# Allegro board RK3588S_Template_LP5D315P232SD10H2_42x42_2750MHz_1R2_V10_20220413YWQ.brd (continued)
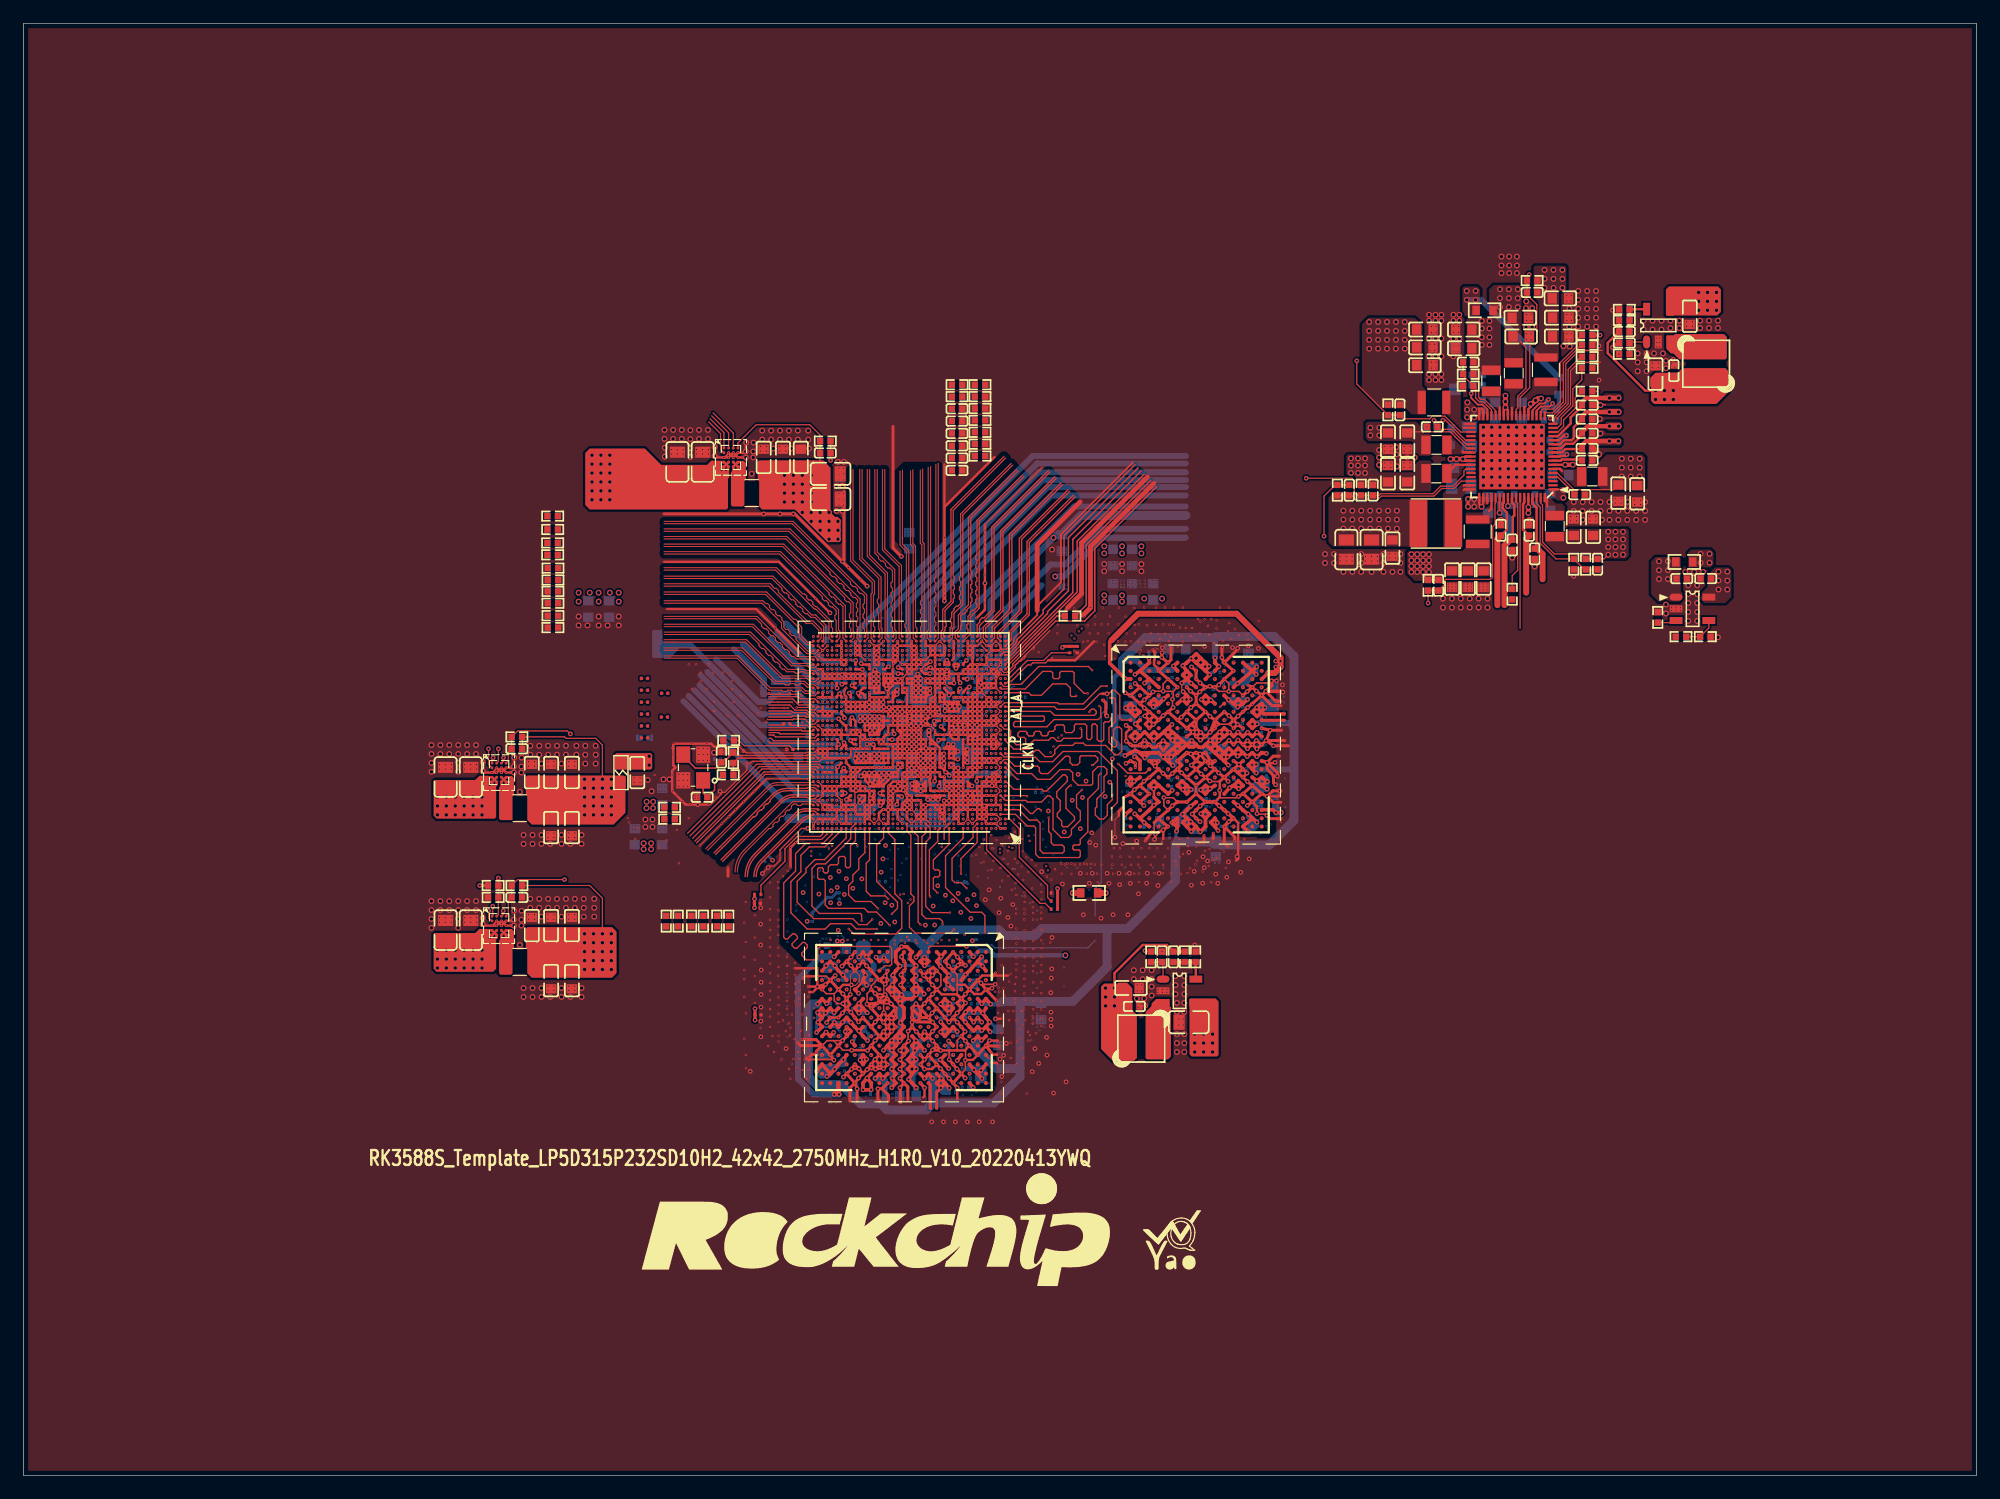
[diagram p0: board, top side]
## Copper pours and planes (outline as drawn; the poured copper is in the pictures) (continued)
VDD_CPU_BIG0_S0 on BOTTOM: 55.07,54.53 51.89,54.53 51.64,54.28 51.64,53.52 52.02,53.14 54.94,53.14 55.32,53.52 55.32,54.28
VDD_CPU_BIG0_S0 on L5-POWER2: 75.23,60.5 74.88,60.86 74.52,60.86 74.14,60.48 70.75,60.48 70.26,59.99 64.31,59.99 61.07,56.76 56.78,56.76 54.31,54.28 49.45,54.28 46.61,51.44 46.61,43.05 46.93,42.74 47.43,42.74 47.5,42.67 63.63,42.67 63.88,42.93 63.88,51.74 65.38,53.24 65.4,53.24 66.4,54.23 67.59,54.23 67.84,53.98 71.37,53.98 72.64,55.24 75.06,55.24 75.44,55.63 75.44,59.51 75.23,59.72
VDD_CPU_BIG0_S0 on L6-S2: 74.45,59.21 74.45,59.11 73.89,58.55 73.86,58.55 73.86,58.34 73.23,57.71 73.23,56.64 73.02,56.44 73.02,55.37 72.9,55.24 70.61,55.24 58.17,42.8 46.86,42.8 46.61,43.05 46.61,52.12 54.61,60.12 60.15,60.12 61.37,61.34 70.48,61.34 70.61,61.21 70.61,60.88 70.56,60.83 70.56,60.76 70.95,60.36 73.88,60.36 74.42,60.91 74.88,60.91 75.23,60.55 75.23,59.99
VDD_CPU_BIG1_MEM_S0 on TOP (solid shape): 53.72,61.59 53.72,60.45 53.59,60.33 50.55,60.33 50.55,61.59 50.67,61.72 53.59,61.72
VDD_CPU_BIG1_MEM_S0 on L6-S2: 72.91,63.29 72.97,63.22 72.97,62.1 72.85,61.97 71.11,61.97 70.76,61.62 70.71,61.62 70.69,61.59 61.24,61.59 60.02,60.38 53.29,60.38 53.21,60.45 53.21,62.99 53.51,63.29
VDD_CPU_BIG1_S0 on TOP (solid shape): 51.43,59.69 51.43,56.64 50.42,55.63 43.43,55.63 43.05,56.01 43.05,58.04 42.93,58.17 42.93,59.69 43.05,59.82 51.31,59.82
VDD_CPU_BIG1_S0 on BOTTOM (solid shape): 71.37,62.1 71.37,61.98 71.49,61.98 71.5,61.97 74.8,61.97 74.93,61.85 74.93,61.21 74.8,61.09 74.29,61.09 74.17,61.21 73.3,61.21 73.15,61.07 72.74,61.07 72.74,61.07 72.58,61.07 72.58,60.91 72.44,60.77 72.34,60.77 72.33,60.78 72.22,60.8 72.1,60.78 72.09,60.77 71.64,60.77 71.58,60.77 71.07,60.77 71.01,60.83 70.87,60.83 70.74,60.96 70.74,61.09 70.48,61.34 69.72,61.34 69.52,61.13 69.4,61.13 69.13,60.86 67.03,60.86 66.93,60.96 66.93,61.59 67.18,61.85 69.36,61.85 69.42,61.83 69.47,61.83 69.49,61.83 69.6,61.72 70.75,61.72 70.75,61.86 70.99,62.1 71.37,62.1
VDD_CPU_BIG1_S0 on BOTTOM: 53.21,56.69 54.94,56.69 55.19,56.95 55.19,57.84 55.07,57.96 53.21,57.96 52.96,57.71 52.96,56.95
VDD_CPU_BIG1_S0 on L5-POWER2: 73.38,62.73 68.07,62.73 67.81,62.99 66.55,62.99 66.42,62.87 66.42,62.86 66.29,62.73 59.82,62.73 59.05,63.5 47.24,63.5 46.99,63.25 46.99,56.77 48.84,54.91 53.97,54.91 56.83,57.77 56.91,57.77 56.97,57.84 58.12,57.84 58.37,57.58 60.91,57.58 63.99,60.66 70.65,60.66 70.87,60.88 73.23,60.88 73.38,61.04
VDD_CPU_BIG1_S0 on L8-S3: 49.1,63.93 61.54,63.93 61.8,63.68 66.42,63.68 66.55,63.55 66.55,62.74 66.93,62.36 68.58,62.36 69.09,61.85 69.98,61.85 70.23,62.1 71.75,62.1 71.88,62.23 71.88,62.48 72.01,62.61 72.64,62.61 72.77,62.48 72.77,62.23 72.9,62.1 73.15,62.1 73.28,61.98 73.28,61.21 73.15,61.09 70.74,61.09 70.36,60.71 70.1,60.71 69.21,59.82 69.21,58.55 67.82,57.15 66.55,57.15 61.21,51.82 47.62,51.82 47.12,52.32 47.12,61.95
VDD_CPU_LIT_S0 on BOTTOM (solid shape): 70.48,65.41 72.02,65.41 72.12,65.34 72.23,65.31 72.24,65.3 72.24,65.14 72.39,65.14 72.39,65.07 72.71,65.07 72.87,64.97 72.87,64.98 73.02,65.07 73.17,65.07 73.25,64.95 73.25,64.95 73.3,64.86 73.51,64.95 74.12,64.95 74.12,64.06 73.58,64.06 73.27,63.74 73.27,63.37 72.77,63.37 72.72,63.42 72.72,63.47 72.17,63.47 72.14,63.5 72.14,64.26 72.09,64.31 71.07,64.31 71.07,64.56 71.13,64.69 71.13,64.85 71.13,64.88 71.11,64.91 70.98,65.07 70.78,65.12 70.64,65.1 70.52,65.02 70.36,65.02 69.98,65.41 69.98,65.53 70.36,65.53
VDD_CPU_LIT_S0 on TOP: 118.62,90.68 118.11,91.19 116.08,91.19 114.36,92.9 114.36,98.36 114.94,98.93 118.87,98.93 119.51,98.3 119.51,93.09 119.76,92.84 119.76,90.68
VDD_CPU_LIT_S0 on BOTTOM: 50.85,74.09 51.18,74.42 51.18,75.56 50.88,75.87 47.42,75.87 47.12,75.56 47.12,74.42 47.45,74.09
VDD_CPU_LIT_S0 on L5-POWER2: 55.88,108.78 115.76,108.78 118.36,106.17 118.36,96.14 117.86,95.63 74.55,95.63 70.1,91.19 70.1,89.03 68.07,87 64.26,87 59.44,82.17 59.44,72.64 65.23,66.85 65.28,66.85 65.46,66.67 68.2,66.67 69.04,65.84 70.18,65.84 70.23,65.79 70.66,65.79 70.87,65.58 71.58,65.58 72.03,65.13 73.28,65.13 73.28,65.02 73.41,64.9 73.41,64.39 73.02,64.01 73.02,63.12 71.25,63.12 70.99,63.37 69.72,63.37 69.57,63.22 68.17,63.22 68.14,63.25 59.82,63.25 59.18,63.88 46.48,63.88 46.23,64.14 46.23,77.34 51.31,82.42 51.31,104.2
VDD_CPU_LIT_S0 on L6-S2: 72.74,63.34 53.16,63.34 52.82,63.68 46.81,63.68 46.48,64.01 46.48,86.61 70.1,110.24 116.59,110.24 118.36,108.46 118.36,96.01 117.98,95.63 77.98,95.63 68.58,86.23 64.52,86.23 62.48,84.2 62.48,80.64 62.1,80.26 62.1,75.06 62.67,74.49 62.8,74.49 69.21,68.07 69.21,66.29 69.34,66.17 70.23,66.17 70.23,66.08 70.48,65.83 72.83,65.83 73.41,65.25 73.41,64.39 73.41,64.39 73.02,64.01 73.02,63.63
VDD_DDR_S0 on BOTTOM (solid shape): 79.38,62.99 80.11,62.99 80.21,62.89 80.21,61.62 80.06,61.47 80.06,61.11 80.01,61.06 79.66,61.06 79.58,61.14 79.45,61.14 79.32,61.26 79.32,61.65 78.94,62.03 78.94,62.53 78.87,62.61 78.87,62.99 78.99,63.12 79.25,63.12
VDD_DDR_S0 on BOTTOM (solid shape): 77.42,59.49 77.42,58.98 76.91,58.47 76.91,58.17 76.83,58.09 75.51,58.09 75.39,58.22 75.39,58.28 75.41,58.3 75.52,58.48 75.52,58.69 75.51,58.7 75.51,59.23 75.57,59.29 76.41,59.29 76.41,59.36 76.53,59.36 76.78,59.61 77.29,59.61
VDD_DDR_S0 on TOP: 113.92,85.22 113.66,85.47 113.16,85.47 113.03,85.6 113.03,87.12 113.16,87.25 115.19,87.25 115.44,87 115.44,86.11 115.82,85.72 118.87,85.72 118.87,86.36 119.25,86.74 120.14,86.74 120.27,86.61 120.27,84.2 120.14,84.07 115.95,84.07 115.7,84.33 114.05,84.33 113.92,84.45
VDD_DDR_S0 on L3-S1: 88.14,48.89 88.26,49.02 102.74,49.02 109.98,56.26 109.98,88.14 110.49,88.65 123.44,88.65 124.21,87.88 124.21,84.33 125.6,82.93 125.6,53.09 110.87,38.35 89.66,38.35 88.14,39.88
VDD_DDR_S0 on L4-POWER1: 77.81,62.01 77.81,63.33 78.16,63.68 80.09,63.68 80.21,63.55 80.21,62.15 80.47,61.9 80.47,60.96 81.03,60.4 81.03,58.55 80.14,57.66 78.54,57.66 78.28,57.91 75.95,57.91 75.65,58.2 75.65,59.23 75.77,59.35 76.88,59.35 77.93,60.4 77.93,61.9
VDD_DDR_S0 on L5-POWER2: 80.14,53.98 76.2,53.98 75.69,54.48 75.69,59.18 75.82,59.31 77.22,59.31 78.74,60.83 78.74,62.1 78.61,62.23 78.61,62.48 78.74,62.61 79.63,62.61 80.01,62.23 81.03,62.23 81.28,62.48 84.84,62.48 85.22,62.1 85.22,56.52 90.93,50.8 90.93,48.89 89.41,47.37 86.74,47.37
VDD_DDR_S0 on L6-S2: 73.48,57.78 75.03,59.33 75.06,59.33 75.16,59.44 77.09,59.44 77.47,59.82 77.98,59.82 78.74,59.05 84.71,59.05 85.09,58.67 85.09,56.01 88.39,52.71 88.39,52.7 90.17,50.93 90.17,47.88 89.79,47.5 86.36,47.5 86.11,47.75 86.11,49.02 80.64,54.48 74.8,54.48 73.48,55.8
VDD_GPU_S0 on BOTTOM (solid shape): 76.2,68.71 76.58,68.71 76.73,68.56 76.73,68.33 76.8,68.23 76.92,68.18 76.96,68.17 76.96,68.07 77.09,67.94 77.09,67.69 77.33,67.45 77.36,67.47 77.39,67.49 77.55,67.49 77.63,67.41 77.62,67.3 77.66,67.18 77.64,67.14 77.6,67.02 77.62,66.89 77.63,66.83 77.66,66.78 77.67,66.75 77.67,66.73 77.69,66.7 77.7,66.63 77.76,66.63 77.78,66.61 77.79,66.61 77.8,66.6 77.93,66.6 78.05,66.47 78.05,66.22 77.93,66.09 77.55,66.09 77.42,65.96 77.27,65.96 77.16,65.86 77.11,65.83 77.06,65.79 76.71,65.79 76.66,65.84 75.9,65.84 75.9,65.91 75.71,65.91 75.71,65.94 75.66,65.94 75.56,66.04 75.26,66.04 75.26,66.5 75.56,66.8 75.56,68.96 75.69,69.09 75.82,69.09
VDD_GPU_S0 on TOP: 115.82,83.19 113.66,83.19 113.41,83.44 113.41,83.82 113.16,84.07 112.01,84.07 111.51,83.57 111.51,79.76 111.89,79.38 119.89,79.38 120.01,79.5 120.01,83.31 119.89,83.44 116.08,83.44
VDD_GPU_S0 on BOTTOM: 92.2,78.49 95.63,78.49 95.76,78.61 95.76,79.5 95.63,79.63 92.2,79.63 92.07,79.5 92.07,78.61
VDD_GPU_S0 on BOTTOM: 75.31,79.76 75.06,79.5 75.06,78.87 75.18,78.74 76.2,78.74 76.33,78.87 76.33,79.63 76.2,79.76
VDD_GPU_S0 on L5-POWER2: 75.44,66.6 75.36,66.67 75.31,66.67 75.31,66.8 74.94,67.17 74.41,67.17 73.89,67.69 73.89,71.75 70.74,74.9 70.74,90.81 74.99,95.06 116.4,95.06 116.59,94.87 116.59,84.45 117.98,83.06 117.98,80.77 117.73,80.52 82.77,80.52 79.38,77.13 79.38,74.3 79.25,74.17 79.21,74.17 78.53,73.49 78.53,72.15 78.01,71.63 78.01,70.5 77.98,70.48 77.98,67.82 77.85,67.69 77.85,66.8 77.65,66.6
VDD_GPU_S0 on L6-S2: 76.35,66.52 76.28,66.6 75.44,66.6 74.96,67.08 74.93,67.08 74.7,67.31 73.89,67.31 73.79,67.41 73.56,67.41 73.38,67.59 73.38,72.14 73.39,72.15 73.39,72.63 73.41,72.64 73.41,72.77 70.74,75.44 70.74,88.01 78.1,95.38 118.74,95.38 119.38,94.74 119.38,82.55 117.47,80.64 111,80.64 107.11,76.76 89.41,76.76 88.7,77.47 81.79,77.47 80.77,76.45 80.77,75.82 79.63,74.68 79.63,73.28 78.99,72.64 78.99,71.12 78.23,70.36 78.23,66.65 78.1,66.52
VDD_LOGIC_S0 on BOTTOM (solid shape): 79.12,65.94 79.75,65.94 79.75,65.96 80.06,65.96 80.12,65.75 80.31,65.74 80.34,65.71 80.67,65.71 80.74,65.7 80.85,65.71 80.9,65.66 80.9,65.15 80.85,65.11 80.19,65.11 80.19,65.07 79.71,65.07 79.58,65.2 79.58,65.58 78.31,65.58 78.31,65.86 78.41,65.96 79.12,65.96
VDD_LOGIC_S0 on L9-GND3 (solid shape): 70.87,65.79 70.87,65.22 70.84,65.15 70.77,65.12 70.65,65.09 70.55,65.02 70.35,65.02 70.15,65.08 69.96,65.02 69.21,65.02 68.2,64.01 68.2,62.74 69.21,61.72 69.98,61.72 70.1,61.59 70.1,61.21 69.98,61.09 69.98,60.96 69.6,60.96 69.54,60.91 69.52,60.9 69.39,60.86 69.29,60.76 69.22,60.57 69.27,60.37 69.44,60.22 69.67,60.22 69.7,60.22 69.82,60.11 69.99,60.11 70.08,60.09 70.17,60.1 70.19,60.11 70.97,59.33 70.97,59.26 70.99,59.2 70.99,58.93 70.61,58.93 70.1,59.44 68.71,59.44 68.07,60.07 68.07,61.47 67.69,61.85 67.69,64.52 68.83,65.66 70.16,65.66 70.22,65.65 70.48,65.91 70.74,65.91
VDD_LOGIC_S0 on TOP: 118.24,77.09 118.87,76.45 120.9,76.45 121.28,76.84 125.09,76.84 125.35,77.09 125.35,79.88 125.22,80.01 123.32,80.01 123.19,79.88 123.19,79.25 122.94,78.99 118.36,78.99 118.24,78.87
VDD_LOGIC_S0 on BOTTOM: 92.27,73.66 91.38,72.77 87.76,72.77 86.99,72.01 86.99,71.25 84.65,68.9 84.65,68.52 84.45,68.33 84.45,67.69 81.91,65.15 80.14,65.15 80.14,65.41 80.39,65.66 80.9,65.66 81.66,66.42 82.04,66.42 82.68,67.06 82.68,67.69 84.07,69.09 84.07,69.47 85.09,70.48 85.09,72.64 87.12,74.68 90.3,74.68 91.06,75.44 95,75.44 95.25,75.18 95.25,73.91 95,73.66
VDD_LOGIC_S0 on L4-POWER1: 78.36,65.38 76.43,65.38 76.2,65.15 75.31,65.15 75.08,65.38 74.12,65.38 73.3,66.19 71.37,66.19 71.12,66.45 71.12,66.93 71.37,67.18 72.05,67.18 72.14,67.09 74.29,67.09 74.55,66.84 75.44,66.84 75.44,66.55 75.82,66.17 76.2,66.17 76.62,66.59 76.67,66.59 76.76,66.5 79.55,66.5 80.26,65.79 80.26,65.15 79.88,64.77 78.97,64.77
VDD_LOGIC_S0 on L5-POWER2: 78.41,65.35 77.48,65.35 77.44,65.38 76.61,65.38 76.58,65.41 76.45,65.41 76.2,65.15 75.44,65.15 75.12,65.47 72.45,65.47 71.96,65.96 71.15,65.96 71.02,66.09 71.02,67.21 71.09,67.28 74.5,67.28 74.57,67.21 74.57,66.9 75.11,66.36 78.41,66.36 78.41,67.4 78.37,67.45 78.37,68.06 78.49,68.18 78.49,71.5 79.12,72.14 79.12,73.03 79.88,73.79 79.88,76.84 82.69,79.64 88.26,79.64 88.89,80.26 118.87,80.26 120.4,78.74 120.4,75.44 118.62,73.66 87.5,73.66 85.47,71.63 85.47,69.22 84.71,68.45 84.71,65.15 83.82,64.26 82.42,64.26 82.25,64.44 78.56,64.44 78.41,64.59
VDD_LOGIC_S0 on L6-S2: 80.01,65.38 79.12,65.38 78.89,65.15 78.59,65.15 78.36,65.38 76.58,65.38 76.35,65.15 75.29,65.15 75.06,65.38 74.12,65.38 73.3,66.19 70.97,66.19 70.97,67.11 71.12,67.26 71.88,67.26 72.05,67.09 74.29,67.09 74.55,66.84 75.1,66.84 75.77,66.17 76.5,66.17 76.83,66.5 79.71,66.5 80.14,66.07 80.14,65.51
VDD_LOGIC_S0 on L8-S3: 89.23,73.46 89.36,73.58 118.54,73.58 120.4,75.44 120.4,82.17 118.49,84.07 82.37,84.07 80.09,81.79 80.09,73.33 80.14,73.28 80.14,71.5 80.01,71.37 80.01,70.23 80.26,69.98 80.64,69.98 80.9,69.72 80.9,68.96 80.14,68.2 80.14,67.18 79.88,66.93 79.38,66.93 78.49,66.04 78.49,65.28 78.61,65.15 78.74,65.15 79.25,65.66 79.76,65.66 80.14,65.28 80.14,64.64 80.26,64.52 81.79,64.52 82.68,65.41 84.33,65.41 84.71,65.79 84.71,67.69 84.96,67.94 84.96,71.12 87.3,73.46
VDD_NPU_S0 on TOP (solid shape): 68.96,86.11 68.96,82.3 69.34,81.91 69.57,81.91 69.82,81.66 69.82,79.88 69.7,79.76 68.71,79.76 66.03,82.45 66.01,82.45 65.91,82.55 63.12,82.55 62.86,82.8 62.86,84.96 62.74,85.09 62.74,86.61 62.86,86.74 68.33,86.74
VDD_NPU_S0 on BOTTOM (solid shape): 72.77,70.39 72.68,70.16 72.76,69.92 72.77,69.91 72.77,69.85 73.1,69.52 73.48,69.52 73.53,69.47 73.53,69.09 73.57,69.05 73.61,68.93 73.64,68.9 73.66,68.87 73.69,68.84 73.74,68.81 73.74,68.64 73.7,68.61 73.66,68.58 73.63,68.55 73.6,68.52 73.52,68.52 73.43,68.5 73.23,68.5 73.23,66.8 73.15,66.73 72.34,66.73 72.34,68.71 72.39,68.76 72.39,70.61 72.52,70.74 72.77,70.74
VDD_NPU_S0 on BOTTOM: 66.17,82.04 66.17,82.55 65.91,82.8 64.9,82.8 64.64,83.06 64.64,85.6 65.15,86.11 68.45,86.11 69.09,85.47 69.09,82.3 69.98,81.41 69.98,80.01 69.72,79.76 68.45,79.76
VDD_NPU_S0 on L3-S1: 67.69,79.63 69.72,79.63 69.85,79.76 69.85,81.91 67.69,84.07 67.69,85.6 67.44,85.85 64.9,85.85 64.64,85.6 64.64,82.68
VDD_NPU_S0 on L5-POWER2: 73.66,71.63 73.66,67.51 73.53,67.39 65.71,67.39 60.2,72.9 60.2,81.79 64.64,86.23 70.36,86.23 70.48,86.11 70.48,74.8
VDD_NPU_S0 on L6-S2: 71.51,67.45 71.32,67.64 71.32,67.67 70.31,68.68 69.62,68.68 62.86,75.44 62.86,83.95 64.77,85.85 70.36,85.85 70.42,85.79 70.42,75.31 73.1,72.63 73.1,69.01 73.33,68.78 73.33,67.51 73.34,67.5 73.15,67.31 71.64,67.31 71.51,67.44
VDD_NPU_S0 on L8-S3: 74.5,66.6 74.42,66.67 74.42,67.18 75.06,67.82 75.06,68.07 75.44,68.45 75.44,71.35 75.45,71.36 75.45,71.74 74.93,72.26 74.93,72.39 74.42,72.9 72.77,72.9 64.26,81.41 64.26,85.47 64.77,85.98 69.72,85.98 73.91,81.79 73.91,78.87 74.68,78.11 79.5,78.11 79.63,77.98 79.63,72.77 79.5,72.64 79.5,70.74 79.38,70.61 77.6,70.61 77.09,70.1 76.71,70.1 76.2,69.6 76.2,68.58 74.93,67.31 74.93,66.85 74.68,66.6
VDD_NPU_S0 on L9-GND3: 69.85,79.88 69.72,79.76 68.71,79.76 65.79,82.68 64.9,82.68 64.64,82.93 64.64,85.6 64.9,85.85 67.44,85.85 67.69,85.6 67.69,83.95 69.85,81.79
VDD_VDENC_S0 on BOTTOM (solid shape): 78.36,64.52 77.85,64.01 77.85,63.75 77.6,63.5 77.6,63.42 77.53,63.36 77.53,63.04 77.28,62.79 76.91,62.79 76.91,62.95 76.91,63.49 76.91,63.55 77.17,63.8 77.22,63.8 77.29,63.88 77.34,63.88 77.37,63.91 77.55,63.91 77.55,64.04 77.57,64.08 77.6,64.14 77.6,64.52 77.69,64.61 77.75,64.66 77.82,64.69 77.89,64.66 77.99,64.75 78.05,64.77 78.36,64.77
VDD_VDENC_S0 on TOP: 131.06,95.25 131.19,95.38 131.19,101.09 131.32,101.22 131.7,101.22 131.83,101.35 131.83,103.25 131.7,103.38 129.16,103.38 129.03,103.25 129.03,100.71 129.48,100.27 129.48,96.71 129.03,96.27 129.03,95.38 129.16,95.25
VDD_VDENC_S0 on BOTTOM: 97.54,73.79 97.66,73.91 97.66,75.18 97.41,75.44 95.76,75.44 95.5,75.18 95.5,74.17 95.88,73.79
VDD_VDENC_S0 on BOTTOM: 78.06,61.01 78.06,61.64 78.25,61.83 78.76,61.83 79.07,61.52 79.07,60.5 79.5,60.07 79.5,59.82 79.38,59.69 78.1,59.69 78.1,60.96
VDD_VDENC_S0 on L5-POWER2: 106.81,69.98 107.57,69.98 107.7,70.1 107.7,72.14 106.3,73.53 87.63,73.53 85.6,71.5 85.6,69.22 84.84,68.45 84.84,65.15 83.76,64.07 82.36,64.07 82.17,63.88 77.22,63.88 77.09,63.75 77.09,63.12 77.22,62.99 77.72,62.99 77.85,63.12 84.33,63.12 85.47,64.26 85.47,67.94 86.23,68.71 86.23,70.99 88.14,72.9 105.92,72.9 106.68,72.14 106.68,70.1
VDD_VDENC_S0 on L6-S2: 78.87,59.31 78.06,60.12 78.06,65.21 78.18,65.33 80.09,65.33 80.21,65.46 80.21,66.47 80.09,66.6 79.58,66.6 79.07,67.11 79.07,67.74 79.45,68.12 79.45,70.03 80.77,71.35 80.77,74.17 82.55,75.95 107.7,75.95 112.01,80.26 117.73,80.26 119.89,82.42 119.89,90.68 124.71,95.5 127.13,95.5 129.54,97.92 129.54,103.12 129.78,103.37 136.79,103.37 137.41,102.74 137.41,88.39 132.21,83.19 132.21,74.8 127.38,69.98 107.06,69.98 106.81,70.23 106.81,72.01 105.54,73.28 87.76,73.28 84.84,70.36 84.84,59.44 84.71,59.31
VDDA_0V75_S0 on BOTTOM (solid shape): 81.48,68.76 81.53,68.71 80.64,67.82 80.52,67.82 80.34,68 80.34,68.25 80.59,68.25 80.59,68.35 80.67,68.42 80.67,68.63 80.59,68.71 80.59,68.76 80.72,68.88 81.48,68.88
VDDA_0V75_S0 on BOTTOM (solid shape): 79.36,68.83 79.45,68.7 79.59,68.62 79.63,68.61 79.63,68.43 79.58,68.43 79.58,67.82 79.65,67.79 79.68,67.72 79.7,67.63 79.55,67.49 79.35,67.69 78.74,67.69 78.74,68.03 78.77,68.1 78.85,68.13 79.19,68.29 79.19,68.66
VDDA_0V75_S0 on TOP: 135.13,89.92 135.13,89.53 135.38,89.28 136.27,89.28 136.52,89.53 136.52,89.92 136.4,90.04 135.25,90.04
VDDA_0V85_S0 on TOP: 136.4,88.65 136.52,88.52 136.52,88.14 136.4,88.01 134.62,88.01 134.37,88.27 134.37,88.39 134.62,88.65
VDDQ_DDR_CK_S0 on BOTTOM (solid shape): 95.14,65.97 95.14,65.34 95.01,65.2 94.15,65.2 93.98,65.37 93.98,66.06 94.09,66.17 94.94,66.17
VDDQ_DDR_CK_S0 on BOTTOM (solid shape): 106.23,66.37 107.29,66.37 107.29,65.28 105.48,65.28 105.2,65.56 105.2,65.73 105.69,66.22 105.69,66.39 105.95,66.39
VDDQ_DDR_CK_S0 on BOTTOM (solid shape): 97.62,66.43 97.62,66.27 96.77,65.42 96.51,65.42 96.37,65.56 96.37,65.82 96.67,66.12 96.67,66.47 96.74,66.55 97.5,66.55
VDDQ_DDR_CK_S0 on BOTTOM (solid shape): 105.52,68.49 104.52,67.49 103.02,67.49 102.96,67.55 102.96,67.86 103.03,67.92 103.86,67.92 104.29,68.35 104.29,69.22 104.49,69.42 105.52,69.42
VDDQ_DDR_CK_S0 on BOTTOM (solid shape): 106.45,59.65 106.45,58.51 106.34,58.39 105.99,58.39 105.89,58.3 104.9,58.3 104.9,59.06 105.36,59.52 105.57,59.52 105.88,59.83 106.27,59.83
VDDQ_DDR_CK_S0 on BOTTOM (solid shape): 82.3,34.8 82.3,33.78 82.04,33.53 81.53,33.53 81.28,33.78 81.28,34.29 81.03,34.54 80.52,34.54 80.52,35.05 82.04,35.05
VDDQ_DDR_CK_S0 on BOTTOM (solid shape): 104.8,66.44 104.8,66.24 104.6,66.04 104.01,66.04 103.9,65.92 103.9,65.54 103.76,65.41 103.5,65.41 102.75,66.15 102.75,66.46 102.83,66.54 104.7,66.54
VDDQ_DDR_CK_S0 on BOTTOM (solid shape): 105.34,56.1 105.53,56.1 105.59,56.04 105.59,55.42 104.95,54.79 104.29,54.79 104.2,54.88 104.2,55.1 104.61,55.5 104.61,56.02 104.45,56.18 104.45,56.69 104.52,56.76 104.68,56.76
VDDQ_DDR_CK_S0 on BOTTOM (solid shape): 79.76,42.93 80.26,42.93 80.39,43.05 80.64,43.05 80.77,42.93 80.77,42.67 80.74,42.64 80.6,42.64 80.6,42.5 80.26,42.16 80.26,41.41 80.25,41.4 78.99,41.4 78.74,41.66 78.74,42.65 79.25,43.16 79.53,43.16
VDDQ_DDR_CK_S0 on BOTTOM (solid shape): 78.74,34.29 78.74,34 78.73,33.93 78.74,33.78 79.25,33.27 79.25,32.51 78.49,32.51 78.23,32.77 78.23,34.3 78.35,34.42
VDDQ_DDR_CK_S0 on BOTTOM (solid shape): 70.36,35.56 70.36,35.05 70.23,34.92 69.85,34.92 68.87,33.95 68.04,33.95 67.61,34.37 67.61,34.84 67.94,35.18 69.1,35.18 69.11,35.18 69.4,35.19 69.59,35.42 69.59,35.43 69.98,35.81 70.1,35.81
VDDQ_DDR_CK_S0 on BOTTOM (solid shape): 80.85,62.41 80.85,62.28 80.98,62.15 81.99,62.15 82.12,62.03 82.12,61.77 81.99,61.65 81.74,61.65 81.61,61.52 81.61,60.88 81.48,60.76 80.44,60.76 80.31,60.88 80.31,61.37 80.47,61.52 80.47,62.53 80.72,62.53
VDDQ_DDR_CK_S0 on BOTTOM (solid shape): 78.44,57.96 78.24,57.77 78.24,57.32 78.22,57.29 78.22,57.02 78.16,56.82 78.22,56.62 78.22,56.12 78.21,56.13 77.09,56.13 76.96,56.26 76.96,56.76 76.99,56.8 77.01,56.83 77.04,56.89 77.11,56.92 77.35,57.03 77.44,57.28 77.34,57.53 77.08,57.63 77.03,57.67 77.01,57.73 77.01,57.91 77.18,58.08 78.04,58.08 78.18,58.22 78.44,58.22
VDDQ_DDR_CK_S0 on BOTTOM (solid shape): 72.39,45.47 72.39,44.2 72.9,43.69 72.9,43.18 72.7,42.98 72.69,42.98 72.59,42.92 72.53,42.82 72.53,42.81 72.39,42.67 72.39,41.91 72.14,41.66 71.88,41.66 71.12,42.42 70.61,42.42 70.36,42.16 69.85,42.16 69.85,42.67 69.7,42.82 69.7,42.84 69.61,42.98 69.46,43.07 69.45,43.07 69.34,43.18 69.09,43.18 68.83,42.93 68.33,42.93 68.33,43.69 68.55,43.92 68.78,43.92 68.81,43.94 69.34,43.94 69.6,43.69 69.59,43.53 69.6,43.43 69.61,43.41 69.7,43.28 69.83,43.19 69.85,43.18 69.95,43.17 70.01,43.18 72.14,43.18 72.18,43.22 72.19,43.23 72.3,43.3 72.37,43.41 72.39,43.43 72.4,43.55 72.39,43.69 72.3,43.8 72.22,43.86 72.14,43.94 71.37,43.94 71.12,44.2 71.12,45.47 71.37,45.72 72.14,45.72
VDDQ_DDR_CK_S0 on TOP: 130.05,79.76 130.05,80.64 131.83,80.64 132.08,80.9 137.03,80.9 137.16,80.77 137.16,78.61 136.91,78.36 135.25,78.36 134.87,78.74 133.35,78.74 133.22,78.87 130.94,78.87
VDDQ_DDR_CK_S0 on L4-POWER1: 130.68,57.28 112.65,57.28 87.41,32.04 65.82,32.04 62.17,35.69 62.17,51.66 65.5,54.99 68.45,54.99 69.35,55.89 69.35,57.06 69.86,57.57 72.99,57.57 73.71,58.29 75.06,58.29 75.56,57.78 77.09,57.78 77.22,57.91 77.98,57.91 78.1,58.04 80.01,58.04 80.39,58.42 80.39,62.1 80.52,62.23 81.12,62.23 81.41,62.52 81.41,69 81.79,69.38 81.92,69.38 82.18,69.64 82.18,69.89 86.34,74.06 118.38,74.06 125.35,81.03 137.54,81.03 138.43,80.14 138.43,65.02
PMIC_SW1 on TOP: 121.67,84.33 122.43,84.33 122.81,84.71 124.08,84.71 124.08,83.95 123.32,83.95 122.94,83.57 122.94,79.38 122.81,79.25 121.41,79.25 121.28,79.38 121.28,83.95
PMIC_SW2 on TOP: 124.08,89.41 124.08,89.97 123.14,89.97 122.81,90.3 122.81,92.46 122.55,92.71 121.41,92.71 121.28,92.58 121.28,90.68 122.55,89.41
PMIC_SW3 on TOP: 125.35,83.06 125.35,83.95 125.6,83.95 125.6,81.53 125.35,81.28 123.32,81.28 123.19,81.41 123.19,82.17 123.32,82.3 124.59,82.3
PMIC_SW4 on TOP: 128.91,92.96 128.91,93.6 129.16,93.85 130.94,93.85 131.06,93.73 131.06,92.58 130.81,92.33 129.54,92.33 128.52,91.31 128.52,90.93 128.4,90.81 128.14,90.81 128.02,90.93 128.02,92.08
PMIC_SW5 on TOP: 121.16,84.84 121.16,86.36 121.28,86.49 124.08,86.49 124.08,86.23 123.32,86.23 122.94,85.85 122.94,85.6 122.17,84.84
PMIC_SW6 on TOP: 124.84,92.08 124.71,92.08 124.59,92.2 124.59,93.09 126.24,93.09 126.24,90.93 125.98,90.93
PMIC_SW7 on TOP: 121.28,87.25 123.19,87.25 123.26,87.32 124.08,87.32 124.08,87.5 123.44,87.5 122.05,88.9 121.22,88.9 121.22,87.31
PMIC_SW8 on TOP: 130.3,85.85 131.06,85.85 132.46,84.45 133.48,84.45 133.6,84.58 133.6,86.11 133.48,86.23 132.84,86.23 132.59,85.98 131.7,85.98 131.57,86.11 130.3,86.11
PMIC_SW9 on TOP: 129.79,81.53 129.79,83.95 129.81,83.96 130.11,83.96 130.11,83.88 130.94,83.06 131.44,83.06 131.7,82.8 131.7,81.66 131.57,81.53
PMIC_SW10 on TOP: 126.87,92.08 126.49,92.46 126.49,93.73 128.14,93.73 128.14,92.71 127.51,92.08 127.51,91.19 127.13,90.81 126.87,91.06
PMIC_VDC on BOTTOM: 121.79,93.34 123.19,93.34 123.32,93.47 124.97,93.47 125.09,93.34 125.09,91.69 124.97,91.57 124.33,91.57 123.7,92.2 121.79,92.2 121.67,92.33 121.67,93.22
N30961579 on TOP (solid shape): 61.6,86.61 61.72,86.49 61.72,85.09 61.59,84.96 61.59,82.93 61.47,82.8 60.58,82.8 60.45,82.93 60.45,85.72 60.64,85.91 61.34,85.91 61.34,86.61 61.59,86.61
N30962090 on TOP (solid shape): 145.54,97.28 145.54,95.5 145.41,95.38 141.48,95.38 140.97,95.88 140.77,95.88 140.39,96.27 140.39,97.4 140.97,97.4 141.11,97.54 145.29,97.54
N30962978 on TOP (solid shape): 41.78,59.69 41.91,59.56 41.91,58.17 41.78,58.04 41.78,56.01 40.77,56.01 40.64,56.13 40.64,58.8 40.83,58.99 41.53,58.99 41.53,59.69 41.78,59.69
N30963105 on TOP (solid shape): 41.78,46.61 41.91,46.48 41.91,45.09 41.78,44.96 41.78,42.93 41.66,42.8 40.77,42.8 40.64,42.93 40.64,45.72 40.83,45.91 41.53,45.91 41.53,46.61 41.78,46.61
N31277533 on TOP (solid shape): 97.91,40.13 98.04,40 98.04,35.81 97.79,35.56 96.01,35.56 95.88,35.69 95.88,39.62 96.39,40.13 96.39,40.34 96.77,40.72 97.91,40.72

Small or netless copper shapes (teardrops, artwork), in the pictures only: 2 on TOP, 9 on BOTTOM, 3 on L8-S3

## Text on the board
Ref Des/Silkscreen Bottom: DQ5 | DQS1P | DQS1N | FSPI | DQSON | DQSOP | DQ11
User.Comments: CR_VCAM_5 | CR_WIFI_1 | CR_0318_1 | CR_MOS_1 | CR_VCAM_2 | CR_DHPY_2 | CR_0415_2 | CR_VCAM_4 | CR_VCAM15_1 | CR_0310_2 | CR_PMU2_1 | CR_SPEAKER_1 | CR_PMIC_1 | CR_CAM_1 | CR_CAM1_2 | CR_CAM1_3
Ref Des/Silkscreen Top: P | A1_A | CLKN | RK3588S_Template_LP5D315P232SD10H2_42x42_2750MHz_H1R0_V10_20220413YWQ
User.31: PWR | GND | USB | sensor
